# KiCad board cpu2.kicad_pcb (continued)
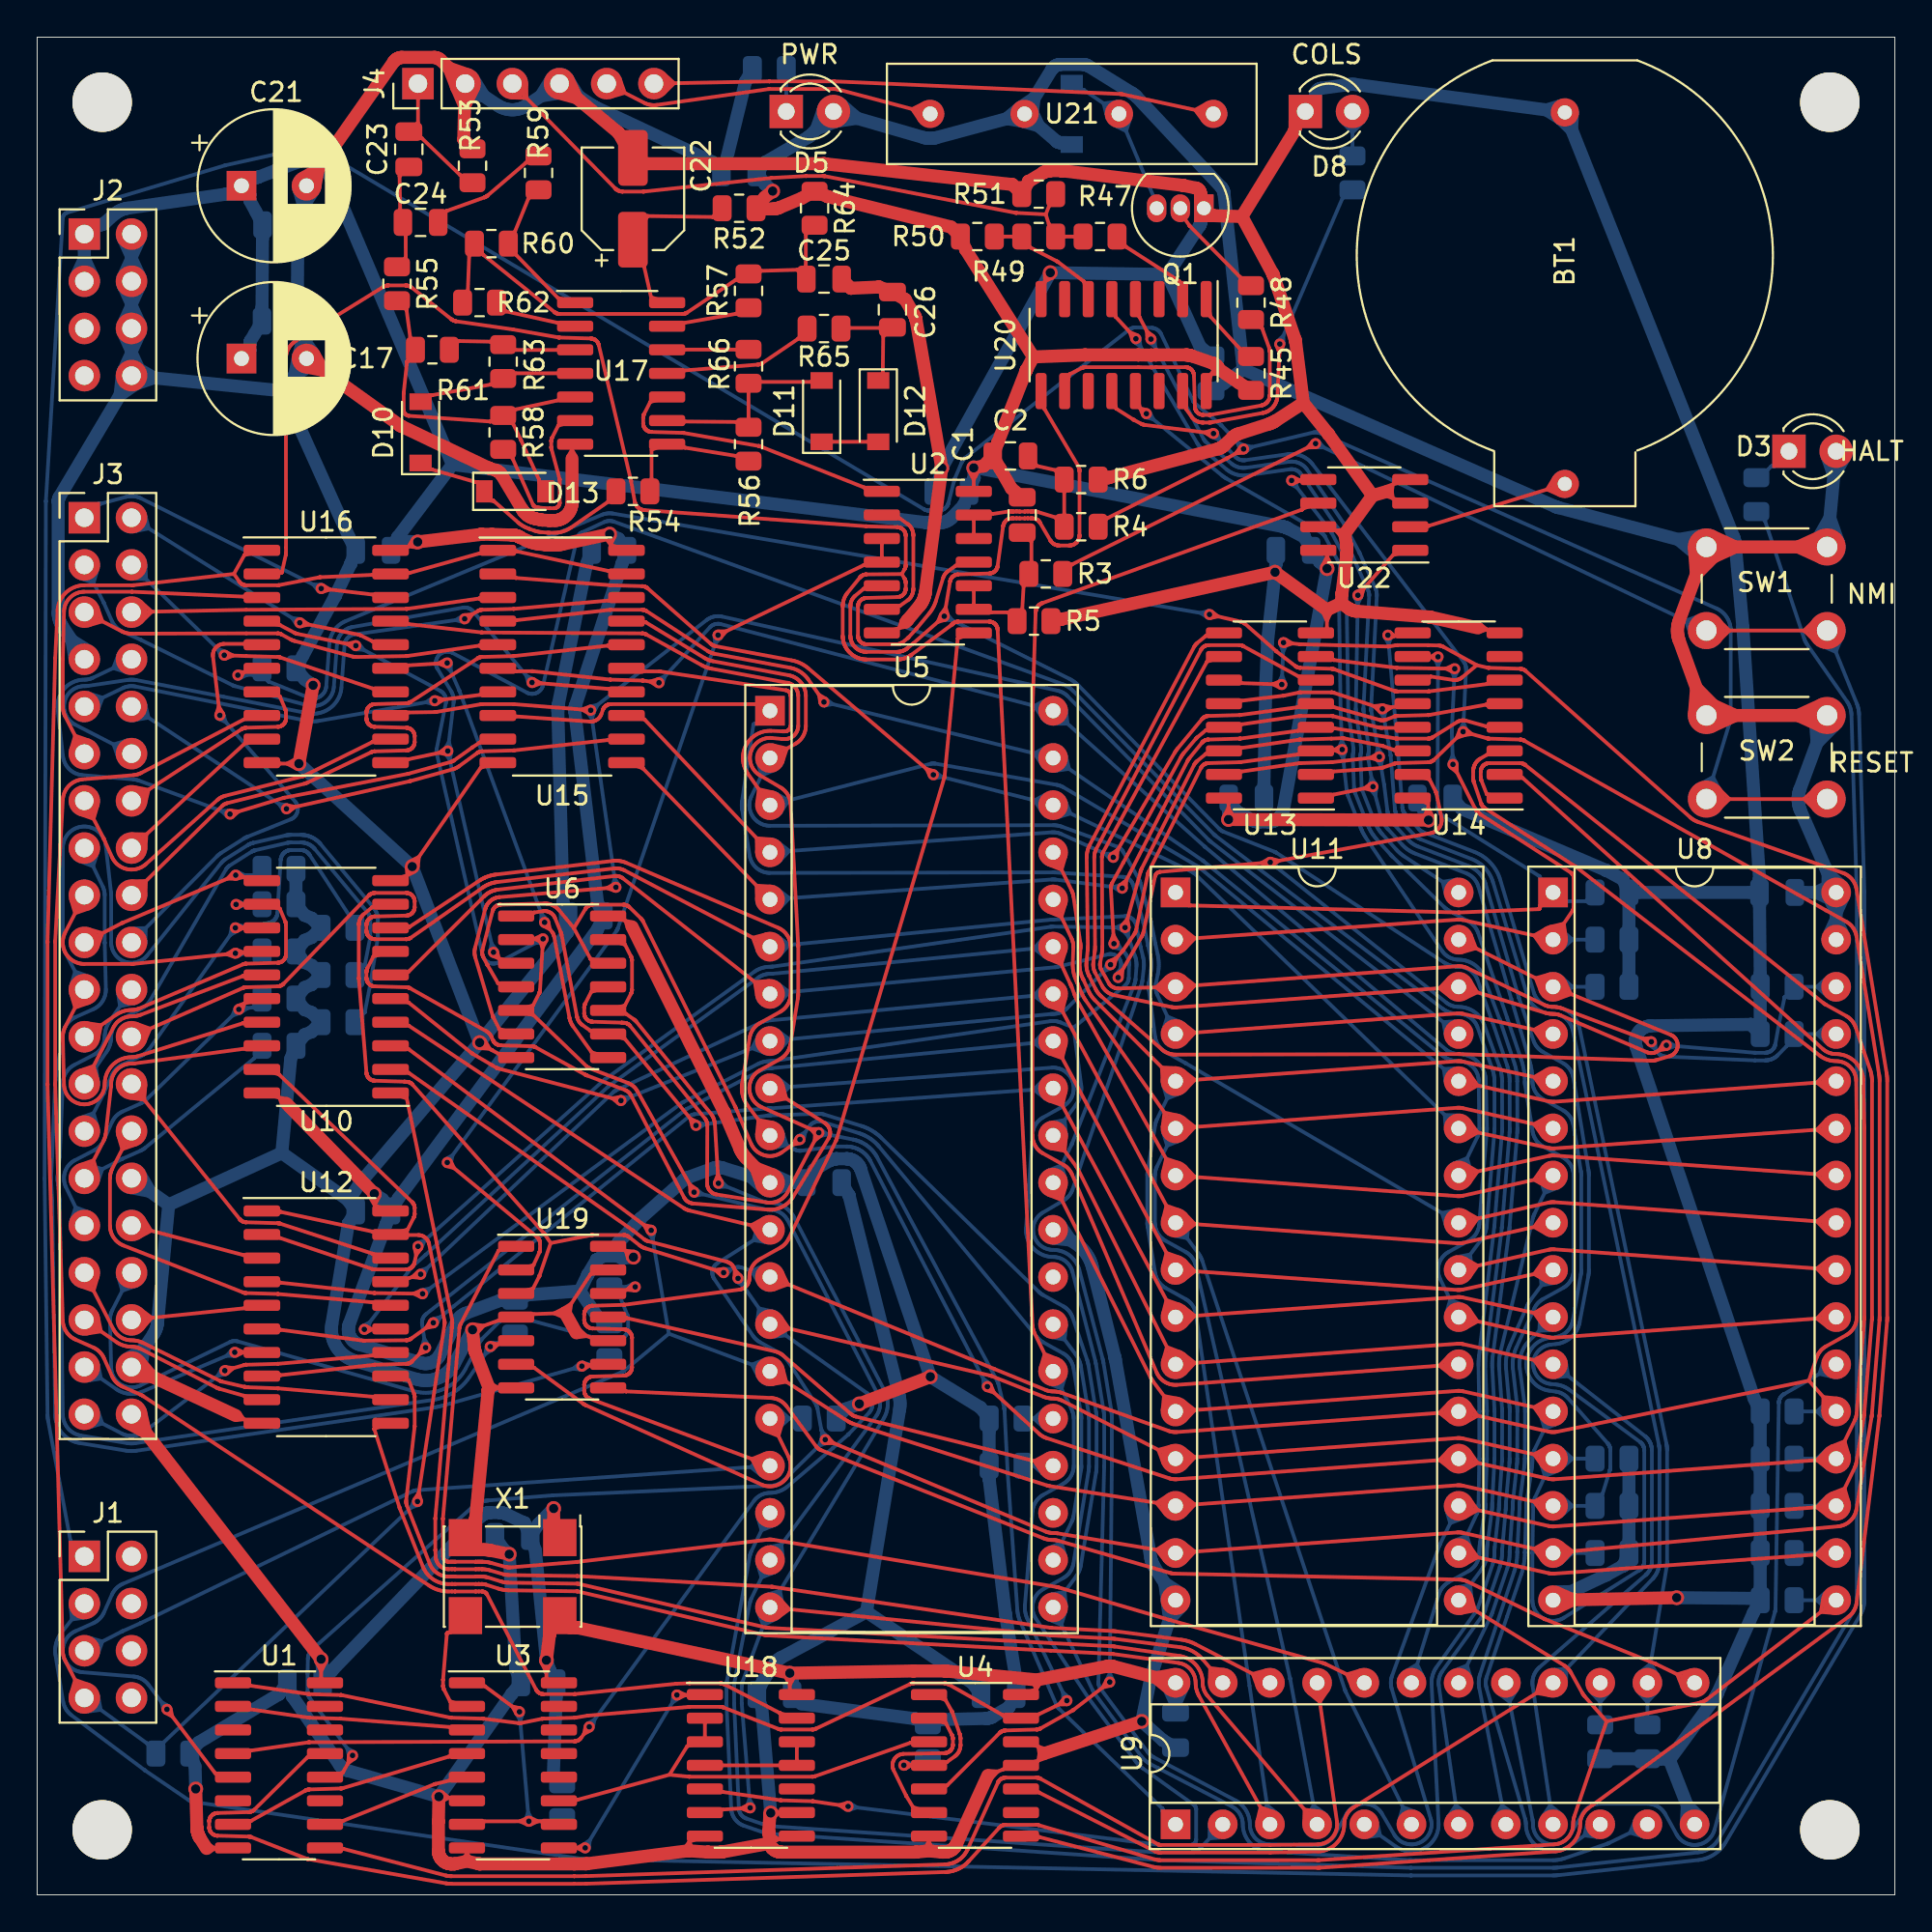
[diagram p0: board, top side]
## Routing (per net, layer and track width the routed paths; a pad name or vN(x,y) marks a point on that pad's centre or on a via; arc(x,y) is an arc through that point) (continued)
BB_VCC: length 25.5
  Top w0.2: 71.01,70.14 71.41,70.32 71.29,69.9 ; 73.92,72.38 72.98,72.12 v2(71.09,69.96)
  Bottom w0.2: 75.84,53.79 75.65,54.53 76.41,54.65 ; 71.27,69.87 71.09,69.48 70.91,69.88 ; U11.32 73.6,55.9 73.53,55.94 73.46,55.99 73.4,56.04 73.33,56.1 73.27,56.16 73.21,56.21 73.16,56.27 72.41,57.09 72.38,57.13 72.35,57.17 72.32,57.2 72.29,57.24 72.26,57.28 72.23,57.32 72.2,57.37 72.17,57.42 72.14,57.46 72.12,57.51 72.09,57.56 72.07,57.61 72.03,57.68 72.02,57.71 72.01,57.74 72,57.76 71.34,59.43 71.33,59.45 71.32,59.47 71.32,59.5 71.31,59.52 71.31,59.54 71.3,59.56 71.3,59.58 71.3,59.61 71.3,59.63 71.23,61.22 71.23,61.25 71.23,61.29 71.23,61.32 71.24,61.36 71.24,61.39 71.25,61.42 71.25,61.46 71.25,61.46 71.26,61.49 71.26,61.53 71.27,61.57 71.27,61.61 71.27,61.64 71.27,61.68 71.27,61.72 71.26,61.76 71.26,61.8 71,63.64 70.99,63.67 70.99,63.71 70.99,63.75 70.99,63.79 70.98,63.83 70.98,63.86 v2(71.09,69.96)
BUSISO: length 159.2
  Top w0.2: 10.59,71.11 10.88,70.69 10.9,70.67 10.92,70.65 10.95,70.61 10.97,70.6 10.98,70.59 11.01,70.57 11.04,70.55 11.05,70.54 11.09,70.53 11.11,70.52 11.13,70.51 11.16,70.5 11.19,70.5 11.21,70.5 11.25,70.49 11.26,70.49 12.94,70.49 12.96,70.5 13,70.5 13.02,70.5 15.17,70.92 15.2,70.92 15.23,70.93 15.26,70.93 18.03,71.05 18.13,71.06 U16.19 19.91,71.16 20.01,71.16 20.04,71.16 23.81,72.21 23.81,72.21 U15.1 25.69,72.33 25.79,72.33 ; 10.59,71.11 11.15,72.12 11.15,72.12 U16.1 ; 10.59,71.11 5.2,70.5 5.18,70.5 5.15,70.5 5.13,70.49 5.1,70.49 5.08,70.49 2.54,70.49 2.46,70.49 2.37,70.48 2.29,70.47 2.21,70.45 2.12,70.43 2.04,70.41 1.97,70.37 1.89,70.34 1.81,70.3 1.74,70.25 1.67,70.2 1.61,70.15 1.55,70.1 1.49,70.04 1.43,69.97 1.38,69.91 1.33,69.84 1.29,69.76 1.25,69.69 1.21,69.61 1.18,69.53 1.15,69.45 1.13,69.37 1.12,69.29 1.11,69.21 1.1,69.12 0.97,66.59 0.97,66.55 0.56,51.32 0.56,51.27 0.56,43.65 0.56,43.6 1.38,13.11 1.38,13.06 1.39,13.01 1.39,12.95 1.4,12.9 1.42,12.85 1.43,12.8 1.45,12.75 1.46,12.7 1.49,12.66 1.51,12.61 J1.7 ; U12.1 12.99,36.77 13.09,36.77 ; 1.82,10.81 2.04,11.57 2.79,11.31 ; 20.67,21.23 20.55,21.65 20.31,21.28 ; 13.09,36.77 13.11,36.76 18.03,35.71 18.04,35.71 U12.19 ; U12.19 19.95,35.82 19.95,35.82 20.27,36.45 20.29,36.49 20.3,36.52 20.3,36.53 20.31,36.57 20.32,36.59 20.32,36.61 20.32,36.65 20.32,36.67 20.32,36.97 20.32,36.99 20.32,37.03 20.31,37.05 20.31,37.07 20.3,37.11 20.29,37.13 20.28,37.15 20.27,37.18 20.25,37.2 20.24,37.22 20.22,37.25 20.21,37.27 20.19,37.28 20.17,37.3 13.02,44.16 13.02,44.16 U10.19 ; U12.19 19.91,35.52 20.5,35.52 20.54,35.52 20.57,35.51 20.61,35.51 20.64,35.5 20.67,35.49 20.71,35.48 20.74,35.47 20.77,35.46 20.8,35.44 20.83,35.42 20.86,35.4 20.89,35.38 20.92,35.36 20.94,35.33 20.96,35.31 20.99,35.28 21.01,35.25 21.03,35.22 21.04,35.19 21.06,35.16 21.07,35.13 21.08,35.1 21.09,35.06 21.1,35.03 21.92,30.92 21.93,30.89 21.93,30.87 21.93,30.85 21.94,30.82 21.94,30.8 21.94,30.77 21.93,30.75 21.93,30.73 21.93,30.7 v2(20.47,21.17) ; 25.79,72.33 25.81,72.32 30.73,71.27 30.74,71.27 U15.19
  Bottom w0.2: v2(20.47,21.17) 6.83,8.23 R15.2 5.9,8.16 5.9,8.16 J1.7 ; 3.28,10.74 3.42,9.96 2.64,9.86 ; 20.54,20.98 20.12,20.84 20.29,21.25
C1INN: length 10.3
  Top w0.2: R58.2 25.6,77.31 25.6,77.31 26.68,74.85 26.69,74.83 26.7,74.82 26.7,74.81 26.71,74.8 26.72,74.79 26.73,74.78 26.74,74.77 26.75,74.76 26.76,74.75 26.77,74.74 26.78,74.73 26.79,74.72 26.81,74.72 26.82,74.71 26.83,74.71 26.85,74.7 26.86,74.7 26.87,74.7 26.89,74.69 26.99,74.68 27.25,74.65 27.27,74.65 27.6,74.64 27.6,74.64 27.82,74.64 27.84,74.64 27.86,74.64 27.87,74.64 27.89,74.65 27.91,74.65 27.93,74.66 27.94,74.67 27.96,74.67 27.98,74.68 27.99,74.69 28.01,74.7 28.02,74.71 28.03,74.72 28.05,74.74 28.06,74.75 28.07,74.76 28.08,74.78 28.09,74.79 28.1,74.81 28.1,74.83 28.11,74.84 28.12,74.86 28.12,74.88 28.13,74.9 28.13,74.91 28.13,74.93 28.13,74.95 28.13,76.15 28.13,76.17 28.13,76.2 28.12,76.22 28.12,76.23 27.69,77.81 27.69,77.84 27.68,77.87 27.67,77.92 27.67,77.94 27.67,78.24 27.68,78.27 27.68,78.3 27.68,78.33 27.69,78.35 27.7,78.38 27.71,78.41 27.72,78.45 27.73,78.46 28.05,79.09 28.05,79.09 U17.6
C1INP: length 8.3
  Top w0.2: U17.1 28.03,85.97 25.8,88.26 R60.2 25.73,89.56 26.43,91.29 R59.1
C1OUT: length 20.7
  Top w0.2: U17.5 27.99,80.44 25.78,79.96 R58.1 ; 27.01,76.19 26.05,78.29 26.03,78.33 25.64,79.15 R58.1 ; R58.1 24.39,79.31 24.38,79.31 20.02,79.62 20,79.62 19.98,79.62 19.97,79.62 19.95,79.63 19.93,79.63 19.91,79.64 19.9,79.65 19.88,79.66 19.87,79.67 19.85,79.68 19.84,79.69 19.83,79.7 19.81,79.71 19.8,79.73 19.79,79.74 19.78,79.76 19.77,79.77 19.76,79.79 19.75,79.8 19.75,79.82 19.74,79.84 19.74,79.85 19.73,79.87 19.73,79.89 19.73,79.91 19.73,79.92 19.73,80.83 19.73,80.86 19.91,82.5 19.91,82.53 19.92,82.54 R61.1 20.08,83.87 19.89,85.31 19.88,85.31 R55.2 ; 27.01,76.19 27.02,76.17 27.02,76.15 27.02,76.05 D13.2
C2INN: length 7
  Top w0.2: U17.3 28.08,83.16 25.78,83.16 R63.1 24.48,83.61 24.38,83.61 22.7,83.64 22.7,83.64 R61.2
C2INP: length 4.5
  Top w0.2: U17.2 27.99,84.63 25.24,85.24 R62.1
C2OUT: length 8.6
  Top w0.2: D10.2 21.14,80.72 21.24,80.73 21.26,80.73 24.39,81.29 24.39,81.3 R63.2 25.78,81.91 28.08,81.91 U17.4
C3INN: length 7.6
  Top w0.2: R54.2 33.07,76.15 33.07,77.79 U17.8 34.88,77.9 34.88,77.9 37.59,77.46 R56.1
C3INP: length 4.5
  Top w0.2: U17.13 34.88,84.63 37.6,85.1 37.6,85.11 R57.2
C3OUT: length 10.8
  Top w0.2: D11.2 41.73,81.44 38.89,81.44 R66.2 R56.2 37.59,79.29 34.89,79.31 34.79,79.31 U17.9
C4INN: length 8.2
  Top w0.2: U17.11 34.88,82.06 38.77,82.37 38.82,82.38 38.85,82.38 38.87,82.38 38.92,82.4 38.94,82.41 38.96,82.41 39.01,82.44 39.03,82.45 39.04,82.46 40.95,83.76 40.96,83.76 R65.1
C4INP: length 4.4
  Top w0.2: R66.1 37.69,83.18 34.79,83.18 U17.12
CASIND: length 15.8
  Top w0.2: U17.10 33,80.36 33,80.36 32.68,79.73 32.66,79.68 32.65,79.66 32.64,79.64 32.63,79.61 32.63,79.58 32.63,79.53 32.62,79.51 32.62,79.21 32.63,79.18 32.63,79.15 32.63,79.12 32.64,79.1 32.65,79.07 32.66,79.04 32.67,79 32.69,78.98 32.7,78.96 32.72,78.93 32.74,78.91 32.75,78.89 32.78,78.87 32.8,78.85 32.81,78.84 32.84,78.82 32.86,78.81 32.88,78.8 32.91,78.78 32.94,78.77 32.95,78.77 32.99,78.76 33.01,78.75 33.03,78.75 33.08,78.75 34.74,78.7 34.8,78.7 34.81,78.69 38.84,77.99 38.87,77.99 38.92,77.97 38.94,77.96 44.51,75.76 U2.1
CASS_SW1: length 33.3
  Top w0.2: 33.73,96.97 34.29,97.52 33.71,98.05 ; 62.78,95.48 62.33,96.08 62.99,96.45 ; J4.6 39.41,97.62 39.42,97.62 42.87,97.62 42.9,97.62 42.94,97.62 58.28,96.94 58.31,96.94 58.34,96.94 58.37,96.93 58.4,96.93 58.43,96.92 58.46,96.92 U21.1
CASS_SW2: length 21
  Top w0.2: 47.52,95.5 47.1,96.13 47.78,96.46 ; 30.87,96.78 31.63,97 31.37,97.75 ; J4.5 32.67,96.47 32.72,96.44 32.77,96.42 32.82,96.4 32.87,96.39 32.93,96.37 32.98,96.36 33.03,96.35 33.09,96.35 33.14,96.34 33.2,96.34 33.25,96.34 33.31,96.35 33.36,96.35 39.38,97.21 39.41,97.21 39.42,97.21 42.87,97.21 42.91,97.21 42.95,97.21 43,97.2 43.04,97.2 43.09,97.19 43.13,97.18 43.18,97.17 U21.4
CASSAIN: length 7.2
  Top w0.2: J4.1 20.5,96.75 20.5,95.41 C23.2 20.71,94.56 20.71,94.56 22.78,92.57 22.78,92.57 R53.1
CASSAOUT: length 36.9
  Top w0.2: 54.29,90.46 54.46,90.88 R51.2 ; 54.29,90.46 54.46,89.95 54.46,89.94 R49.1 R47.2 ; 54.29,90.46 52.72,90.54 52.66,90.55 52.64,90.55 42.4,92.52 42.37,92.52 42.32,92.53 42.3,92.53 41.4,92.53 41.38,92.53 39.55,92.42 39.52,92.42 32.7,91.69 32.64,91.69 32.62,91.69 31.52,91.69 31.49,91.69 31.44,91.69 31.41,91.7 31.4,91.7 31.35,91.72 31.32,91.72 31.3,91.73 31.26,91.75 31.23,91.77 31.22,91.78 31.17,91.81 31.15,91.82 31.14,91.84 31.11,91.87 J4.3 ; 25.55,96.75 26.34,96.72 26.33,97.51
CASSIN: length 70.4
  Top w0.2: 71.24,12.09 70.5,11.87 70.79,11.16 ; U9.20 69.39,12.41 69.36,12.43 69.32,12.44 69.29,12.45 69.26,12.46 69.23,12.47 69.2,12.48 60.98,14.79 60.97,14.79 55,16.54 54.98,16.55 54.95,16.56 54.92,16.56 54.9,16.57 54.87,16.57 39.63,19.11 39.59,19.12 39.55,19.12 39.52,19.13 39.48,19.13 39.44,19.13 39.4,19.13 39.36,19.13 39.32,19.12 29.07,17.92 29.06,17.92 25.47,17.63 25.44,17.63 25.41,17.62 25.39,17.63 25.36,17.63 25.33,17.63 25.3,17.63 25.28,17.64 25.25,17.64 25.22,17.65 24.46,17.86 24.4,17.88 24.33,17.89 24.27,17.9 24.21,17.91 24.14,17.92 24.08,17.93 24.02,17.93 23.94,17.93 23.87,17.93 23.83,17.94 23.8,17.94 23.76,17.94 23.72,17.94 23.69,17.93 23.61,17.93 23.6,17.93 22.5,17.93 22.49,17.93 22.42,17.93 22.38,17.94 22.35,17.94 22.31,17.94 22.27,17.94 22.24,17.93 22.17,17.93 22.15,17.93 22.13,17.93 22.11,17.93 22.1,17.94 22.08,17.94 22.06,17.94 22.05,17.95 22.03,17.96 22.01,17.96 22,17.97 21.98,17.98 21.97,17.99 21.96,18 21.94,18.02 21.93,18.03 21.92,18.04 21.91,18.06 21.9,18.07 21.89,18.09 21.88,18.1 21.87,18.12 21.87,18.13 21.86,18.15 21.86,18.17 21.86,18.19 21.85,18.2 21.85,18.22 21.84,18.57 21.84,18.58 21.84,20.23 21.84,20.26 22.73,30.48 22.73,30.51 22.74,30.54 22.74,30.57 22.75,30.6 22.76,30.63 22.77,30.66 22.78,30.69 22.79,30.72 22.81,30.74 24.83,34.67 24.84,34.67 U19.1
CASSOUT: length 109.6
  Top w0.2: 48.89,68.64 48.47,68.51 48.65,68.91 ; 51.61,71.31 51.6,71.29 51.58,71.27 51.55,71.25 51.53,71.23 51.52,71.22 51.49,71.2 51.47,71.19 51.45,71.18 51.42,71.16 51.39,71.15 51.38,71.15 51.34,71.14 51.32,71.13 51.3,71.13 51.25,71.13 49.59,71.08 49.54,71.08 49.51,71.07 49.49,71.07 49.45,71.06 49.43,71.05 49.39,71.03 49.36,71.02 49.34,71.01 49.31,70.98 49.29,70.97 49.27,70.94 49.25,70.92 49.23,70.9 49.21,70.87 49.19,70.84 49.17,70.8 49.16,70.78 49.15,70.75 49.14,70.71 49.14,70.7 v2(48.83,68.83) 47.14,67.35 47.11,67.32 46.85,67.11 46.82,67.09 46.78,67.06 46.77,67.05 46.75,67.04 46.73,67.03 46.71,67.02 46.69,67.01 46.65,66.99 46.63,66.98 46.61,66.97 46.59,66.96 46.57,66.95 46.55,66.95 46.51,66.94 46.49,66.93 46.47,66.93 46.45,66.92 46.43,66.92 46.41,66.92 46.35,66.91 46.31,66.91 46.3,66.91 44.64,66.91 44.61,66.91 44.58,66.91 44.53,66.92 44.51,66.92 44.49,66.92 44.47,66.93 44.45,66.93 44.41,66.94 44.39,66.95 44.37,66.95 44.35,66.96 44.33,66.97 44.31,66.98 44.27,67 44.25,67.01 44.23,67.02 44.21,67.03 44.19,67.04 44.17,67.05 44.13,67.08 44.12,67.09 44.1,67.1 44.08,67.11 44.07,67.13 44.05,67.14 44.02,67.17 44.01,67.19 43.99,67.2 43.98,67.22 43.97,67.24 43.95,67.25 43.92,67.29 43.91,67.31 43.9,67.33 43.89,67.34 43.88,67.36 43.87,67.38 43.85,67.43 43.84,67.45 43.83,67.46 43.83,67.48 43.82,67.5 43.81,67.52 43.8,67.57 ; 53.5,74.1 53.56,74.09 53.62,74.09 53.68,74.08 53.73,74.07 53.75,74.06 53.77,74.06 53.79,74.05 53.81,74.04 53.84,74.02 ; 52.9,74.1 53.16,74.1 53.17,74.1 53.32,74.1 53.33,74.1 53.48,74.1 53.5,74.1 ; 54.86,72.66 54.83,72.67 54.81,72.68 54.76,72.7 54.74,72.71 54.72,72.72 54.68,72.75 54.66,72.77 54.64,72.78 54.61,72.82 54.59,72.84 54.58,72.86 54.55,72.9 54.54,72.91 53.98,73.86 53.97,73.88 53.94,73.93 53.92,73.95 53.91,73.96 53.89,73.98 53.87,74 53.84,74.02 ; 51.61,71.31 51.63,71.34 51.65,71.37 51.66,71.38 51.67,71.42 51.68,71.44 51.69,71.46 51.7,71.5 51.7,71.52 52,73.67 52,73.7 52.02,73.76 52.03,73.78 52.03,73.8 52.06,73.85 52.07,73.87 52.08,73.88 52.11,73.93 52.13,73.95 52.14,73.96 52.16,73.98 52.18,74 52.19,74.01 52.21,74.02 52.24,74.04 52.26,74.05 52.28,74.06 52.3,74.06 52.32,74.07 52.38,74.08 52.44,74.09 52.49,74.1 52.57,74.1 52.72,74.1 52.73,74.1 52.88,74.1 52.9,74.1 ; 54.86,72.66 54.91,72.65 54.94,72.64 54.95,72.64 55.01,72.63 55.03,72.63 55.55,72.63 55.58,72.64 55.63,72.64 55.66,72.64 55.67,72.65 55.72,72.66 55.75,72.67 55.77,72.68 55.81,72.7 55.84,72.71 55.85,72.72 55.9,72.75 55.92,72.77 55.93,72.78 55.97,72.82 55.99,72.84 56,72.86 56.03,72.9 56.04,72.92 56.05,72.94 56.07,72.99 56.08,73.01 56.09,73.03 56.1,73.08 56.1,73.11 56.11,73.12 56.11,73.18 56.11,73.19 56.11,76.63 56.11,76.66 56.11,76.72 56.1,76.74 56.1,76.76 56.08,76.81 56.07,76.84 56.07,76.85 56.04,76.9 56.03,76.92 54.23,79.98 54.23,79.98 U20.9 ; U2.5 44.49,70.31 44.49,70.3 44.04,69.93 44.01,69.91 43.98,69.88 43.96,69.85 43.93,69.82 43.91,69.79 43.89,69.76 43.87,69.73 43.85,69.7 43.84,69.66 43.82,69.63 43.81,69.59 43.8,69.55 43.79,69.52 43.78,69.48 43.78,69.44 43.78,69.4 43.77,69.36 43.77,69.35 43.77,67.78 43.78,67.74 43.78,67.69 43.78,67.67 43.78,67.65 43.79,67.63 43.79,67.61 43.8,67.59 43.8,67.57 ; 48.66,68.94 48.91,69.3 49.02,68.88
  Bottom w0.2: 73.62,12.02 74.29,12.41 74.61,11.71 ; 66.6,56.15 63.87,57.22 63.84,57.24 63.82,57.25 63.79,57.26 63.76,57.28 63.74,57.29 63.71,57.31 63.69,57.33 63.67,57.35 63.65,57.37 63.62,57.39 56.07,65.09 56.01,65.15 55.95,65.2 55.89,65.25 55.83,65.3 55.76,65.35 55.69,65.39 55.62,65.43 55.55,65.47 v2(48.83,68.83) ; 48.98,68.95 49.26,68.61 48.82,68.63 ; 66.6,56.15 66.63,56.14 66.67,56.12 66.7,56.1 66.71,56.09 75.72,50.2 75.78,50.16 75.84,50.13 75.91,50.1 75.97,50.07 76.04,50.04 76.1,50.02 76.17,50 76.24,49.99 76.31,49.98 76.38,49.97 76.45,49.96 76.52,49.96 76.58,49.96 76.64,49.95 76.7,49.94 76.76,49.93 76.82,49.92 76.88,49.9 76.93,49.88 76.99,49.85 77.04,49.83 77.09,49.8 77.14,49.76 77.19,49.73 77.24,49.69 77.28,49.65 77.32,49.6 77.36,49.56 77.4,49.51 77.43,49.46 77.46,49.41 77.49,49.35 77.52,49.3 77.54,49.24 78.34,46.99 78.35,46.96 79.12,44.68 79.15,44.57 79.18,44.46 79.21,44.36 79.23,44.25 79.24,44.13 79.26,44.02 79.26,43.91 79.26,43.8 79.26,43.79 79.27,41.27 79.27,41.22 79.27,41.18 79.27,41.13 79.26,41.08 79.26,41.04 78.85,35.99 78.85,35.94 78.84,35.89 77.98,29.01 77.97,28.92 77.97,28.82 77.96,28.72 77.96,28.63 77.96,28.53 77.96,28.43 78.04,26.07 78.04,26.02 78.04,23.48 78.04,23.43 77.96,21.06 77.96,21 77.96,20.94 77.96,20.9 77.95,20.87 77.95,20.83 77.95,20.79 77.94,20.76 77.94,20.72 77.68,19 77.66,18.9 77.65,18.8 77.64,18.7 77.63,18.6 77.63,18.5 77.63,18.4 77.63,18.34 77.62,18.28 77.61,18.21 77.6,18.15 77.59,18.09 77.57,18.03 77.55,17.98 77.52,17.92 77.49,17.87 77.46,17.81 77.43,17.76 77.39,17.71 77.35,17.66 77.31,17.62 77.26,17.58 77.21,17.53 77.16,17.5 77.11,17.46 77.06,17.43 75.98,16.83 75.93,16.8 75.88,16.77 75.84,16.74 75.8,16.7 75.75,16.66 75.71,16.62 75.68,16.58 75.64,16.54 75.61,16.49 75.58,16.44 75.55,16.4 75.52,16.35 75.5,16.29 75.48,16.24 75.46,16.19 U9.19
CLK: length 128.1
  Top w0.2: U4.5 48.98,5.89 48.99,5.89 51.81,8.72 51.83,8.74 51.85,8.75 51.89,8.78 51.91,8.79 51.95,8.81 ; J3.24 11.08,48.82 11.11,48.83 11.13,48.84 11.16,48.85 11.19,48.85 11.24,48.86 11.25,48.86 12.94,48.9 12.96,48.91 13,48.91 13.02,48.91 13.04,48.92 13.08,48.93 13.1,48.94 13.12,48.94 13.15,48.96 13.17,48.97 13.19,48.98 13.22,49 13.24,49.02 13.25,49.03 13.27,49.05 17.85,53.79 17.88,53.82 17.9,53.83 17.92,53.85 17.95,53.87 17.97,53.88 18.01,53.9 18.04,53.91 18.05,53.92 18.09,53.93 18.11,53.93 18.16,53.94 18.19,53.94 19.86,53.94 19.89,53.93 19.92,53.93 19.95,53.93 19.97,53.92 20,53.91 20.03,53.9 20.07,53.89 20.09,53.87 20.11,53.86 20.14,53.84 20.16,53.82 20.18,53.81 20.2,53.78 20.22,53.76 20.23,53.75 20.25,53.72 20.26,53.7 20.27,53.68 20.29,53.65 20.3,53.62 20.3,53.61 20.31,53.57 20.32,53.55 20.32,53.53 20.32,53.49 20.32,53.47 20.32,53.17 20.32,53.15 20.32,53.11 20.31,53.09 20.31,53.07 20.3,53.03 20.29,53.01 20.28,52.99 20.27,52.96 20.25,52.94 20.24,52.92 20.22,52.89 20.21,52.87 20.19,52.86 20.17,52.83 20.15,52.82 20.13,52.81 20.11,52.79 20.08,52.77 20.07,52.76 20.03,52.75 20.01,52.74 19.99,52.73 19.96,52.72 19.93,52.72 19.91,52.72 19.87,52.71 18.18,52.67 18.13,52.66 18.1,52.66 18.08,52.65 18.04,52.64 18.02,52.64 17.98,52.62 17.95,52.6 17.93,52.59 17.9,52.57 17.88,52.55 17.86,52.53 17.84,52.51 17.82,52.49 17.8,52.45 17.78,52.43 17.76,52.39 17.75,52.36 17.74,52.34 17.73,52.3 17.73,52.28 17.73,52.23 17.72,52.2 17.72,51.91 17.73,51.88 17.73,51.84 17.73,51.82 17.74,51.8 17.75,51.76 17.76,51.74 17.77,51.7 17.79,51.67 17.8,51.65 17.82,51.62 17.84,51.6 17.85,51.59 17.88,51.56 17.9,51.55 17.91,51.54 17.94,51.52 17.96,51.5 17.98,51.49 18.01,51.48 18.04,51.47 18.05,51.46 18.09,51.45 18.11,51.45 18.13,51.45 18.17,51.44 18.19,51.44 19.86,51.44 19.89,51.45 19.92,51.45 19.95,51.45 19.97,51.46 20,51.47 20.03,51.48 20.04,51.48 20.07,51.5 20.1,51.51 20.11,51.52 23.99,54.23 24.04,54.26 24.08,54.28 24.11,54.3 24.15,54.33 24.19,54.35 24.25,54.37 24.3,54.4 24.34,54.41 24.38,54.43 24.43,54.44 24.47,54.46 24.51,54.47 24.54,54.48 24.57,54.49 24.61,54.49 24.64,54.5 24.68,54.51 24.72,54.51 24.76,54.52 31.04,55.25 31.09,55.26 31.14,55.26 31.19,55.26 31.24,55.25 31.29,55.25 31.34,55.24 31.39,55.23 31.44,55.22 31.49,55.2 31.54,55.18 31.58,55.16 31.63,55.14 U5.6 ; v2(57.74,11.46) 55.8,9.97 ; 57.56,11.55 57.36,11.16 57.78,11.26 ; 38.79,50.8 38.53,51.52 39.27,51.72 ; 51.95,8.81 51.98,8.82 52,8.83 52.04,8.84 52.06,8.84 52.12,8.85 52.13,8.85 53.79,8.9 53.81,8.9 53.85,8.9 53.87,8.91 53.89,8.91 53.93,8.92 53.95,8.93 53.97,8.94 54.01,8.96 54.01,8.96 55.73,9.92 55.75,9.94 55.78,9.95 55.8,9.97 ; 5.77,45.9 6.08,46.63 5.33,46.9
  Bottom w0.2: 57.92,11.54 57.74,11.94 57.56,11.54 ; 39.87,51.6 40.48,51.14 39.97,50.57 ; 59.53,50.5 59.54,50.43 59.56,50.36 59.57,50.29 59.57,50.22 59.58,50.15 59.58,50.08 59.58,50.01 59.57,49.94 59.57,49.87 59.5,49.23 59.49,49.19 59.49,49.15 59.48,49.12 59.47,49.08 59.46,49.04 59.45,49 59.44,48.96 55.74,37.98 55.72,37.93 55.7,37.88 55.67,37.83 55.65,37.78 55.62,37.73 55.59,37.68 55.55,37.64 55.51,37.6 55.47,37.55 55.43,37.52 55.39,37.48 55.35,37.44 55.3,37.41 55.25,37.38 54.14,36.73 54.09,36.7 54.03,36.66 53.98,36.62 53.93,36.57 53.89,36.52 53.85,36.47 53.81,36.42 53.77,36.37 53.74,36.31 53.71,36.25 53.68,36.19 53.66,36.13 53.64,36.07 53.63,36 53.62,35.94 53.61,35.87 53.61,35.81 53.61,35.74 53.62,35.68 53.63,35.61 53.64,35.55 53.66,35.48 53.68,35.42 53.7,35.36 53.73,35.3 53.76,35.24 53.8,35.19 53.84,35.14 53.88,35.09 53.92,35.04 53.97,34.99 54.02,34.95 54.07,34.91 54.13,34.88 54.18,34.84 54.24,34.82 54.3,34.79 54.37,34.77 54.43,34.75 54.49,34.74 54.56,34.73 54.62,34.72 54.69,34.72 54.77,34.72 54.86,34.71 54.94,34.7 55.02,34.68 55.1,34.66 55.18,34.63 55.26,34.6 55.33,34.57 55.41,34.53 55.48,34.49 55.55,34.44 55.61,34.39 55.68,34.33 55.74,34.28 55.79,34.21 55.85,34.15 55.89,34.08 55.94,34.01 55.98,33.94 56.02,33.87 56.05,33.79 56.08,33.71 56.1,33.63 57.35,28.88 57.36,28.83 57.37,28.78 57.38,28.73 57.39,28.67 57.4,28.62 57.81,26.15 57.82,26.06 57.83,25.98 57.84,25.89 57.84,25.81 57.85,25.72 57.85,25.64 57.85,23.1 57.85,23.07 v2(57.74,11.46) ; U5.6 54.55,52.49 54.58,52.49 54.6,52.5 54.63,52.5 54.66,52.5 54.71,52.5 54.74,52.5 58.53,52.68 58.57,52.68 58.6,52.68 58.64,52.68 58.67,52.67 58.7,52.66 58.74,52.66 58.77,52.64 58.8,52.63 58.83,52.62 58.86,52.6 58.89,52.58 58.92,52.56 58.95,52.54 58.98,52.52 59,52.5 59.02,52.47 59.05,52.44 59.07,52.41 59.08,52.39 59.1,52.36 59.12,52.32 59.13,52.29 59.14,52.26 59.15,52.23 59.16,52.19 59.4,51.03 59.41,50.98 59.41,50.96 59.53,50.5
CLKD0: length 12.7
  Top w0.2: U1.2 11.52,9.98 14.6,9.54 14.62,9.54 14.66,9.53 16.33,9.49 16.34,9.48 22.16,9.04 U3.3
CLKD1: length 13.3
  Top w0.2: U1.7 11.51,3.98 11.52,3.99 14.44,5.62 14.48,5.63 14.5,5.64 14.53,5.65 14.57,5.67 14.6,5.67 14.65,5.68 14.66,5.68 16.33,5.72 16.35,5.73 16.38,5.73 16.41,5.73 16.43,5.74 16.46,5.75 22.16,7.44 22.16,7.44 U3.4
CLKD2: length 8.1
  Top w0.2: U3.5 22.17,6.15 21.46,5.98 21.42,5.97 21.39,5.96 21.36,5.94 16.46,3.98 U1.10
CLKDIV: length 68.2
  Top w0.2: 53.99,6.26 54.01,6.25 60.33,2.72 60.35,2.71 60.38,2.7 60.41,2.69 60.44,2.69 60.47,2.69 60.48,2.68 66.36,2.68 66.37,2.68 68.91,2.72 68.98,2.72 69.04,2.72 69.1,2.73 69.16,2.75 69.22,2.76 69.28,2.79 69.34,2.81 69.4,2.84 69.46,2.87 69.51,2.9 69.56,2.94 69.61,2.98 69.66,3.02 69.7,3.07 69.74,3.12 69.78,3.17 69.81,3.22 69.85,3.27 69.88,3.33 69.9,3.39 69.92,3.45 69.94,3.51 69.96,3.57 69.97,3.63 69.98,3.7 69.98,3.76 69.98,3.82 69.98,3.89 69.97,3.95 U9.21 ; U1.9 16.37,2.47 16.47,2.47 16.5,2.47 21.98,1.05 22.01,1.04 22.04,1.03 22.08,1.02 22.11,1.02 22.14,1.01 22.18,1.01 22.23,1.01 22.27,1 22.31,1 28.91,1 28.92,1 29.52,1.01 29.55,1.01 48.87,1.64 48.91,1.64 48.94,1.64 48.97,1.65 49,1.65 49.04,1.65 49.07,1.66 49.11,1.67 49.14,1.67 49.18,1.68 49.2,1.69 49.24,1.7 49.27,1.71 49.3,1.72 49.34,1.73 49.37,1.75 49.4,1.76 49.43,1.77 49.46,1.79 49.49,1.81 49.52,1.82 49.55,1.84 49.58,1.86 49.61,1.88 49.63,1.9 49.66,1.92 49.69,1.94 49.72,1.96 49.74,1.98 49.77,2.01 49.79,2.03 49.81,2.05 49.84,2.08 49.86,2.1 49.88,2.13 49.91,2.16 49.93,2.18 49.95,2.21 49.96,2.23 49.98,2.26 50,2.29 50.02,2.32 50.04,2.36 50.06,2.39 50.07,2.42 50.09,2.45 51.71,6.03 51.73,6.07 51.74,6.09 51.76,6.12 51.78,6.14 51.79,6.16 51.83,6.19 51.85,6.21 51.87,6.23 51.9,6.24 51.92,6.26 51.95,6.27 ; 69.48,11.02 69.05,10.39 68.45,10.88 ; 53.99,6.26 53.96,6.28 53.93,6.29 53.92,6.29 53.88,6.3 53.86,6.31 53.81,6.31 53.78,6.31 52.14,6.31 52.11,6.31 52.07,6.31 52.05,6.3 52.03,6.3 51.99,6.29 51.97,6.28 51.95,6.27
D0: length 249.3
  Top w0.2: 39.79,30.11 40.46,30.48 40.03,31.12 ; U13.15 64.86,60.47 67.94,60.92 68,60.92 68,60.92 69.67,60.97 69.69,60.97 69.72,60.97 v2(72.25,61.26) ; 29.52,9.08 29.43,8.66 29.82,8.87 ; 72.15,61.43 71.78,61.21 72.19,61.07 ; 60.62,23.23 60.35,23.95 61.1,24.16 ; 60.08,83.9 59.73,84.17 59.76,83.73 ; U8.13 76.76,24.56 76.72,24.57 76.68,24.58 76.64,24.58 76.6,24.59 76.56,24.59 76.52,24.59 76.48,24.59 76.44,24.59 U11.13 55.18,26.6 55.14,26.62 55.1,26.64 55.05,26.66 55.01,26.67 54.96,26.68 54.92,26.69 54.87,26.7 54.83,26.71 54.78,26.72 54.74,26.72 54.63,26.72 54.57,26.72 54.5,26.73 54.44,26.74 54.38,26.75 54.32,26.77 54.26,26.78 54.21,26.8 54.15,26.82 51.38,27.93 51.35,27.94 51.32,27.95 51.29,27.95 U5.14 ; U1.4 11.52,7.77 14.6,8.21 14.65,8.22 14.67,8.22 28.91,8.26 28.94,8.27 28.97,8.27 29,8.27 29.02,8.28 29.05,8.29 29.08,8.3 29.09,8.3 29.13,8.32 29.15,8.33 29.16,8.34 29.19,8.36 29.21,8.38 29.23,8.39 29.26,8.42 29.28,8.44 v2(29.72,9.04) ; 37.53,33.2 37.55,33.63 37.87,33.33 ; 61.71,24.03 62.32,23.56 61.79,23 ; U10.2 20,44.25 20.01,44.24 32.06,35.77 32.09,35.75 32.1,35.74 32.68,35.29 32.7,35.28 32.72,35.26 32.74,35.25 32.76,35.24 32.78,35.22 32.81,35.21 32.83,35.2 32.85,35.19 32.88,35.19 32.9,35.18 37.11,34.09 37.14,34.08 37.17,34.07 37.2,34.05 37.23,34.04 37.26,34.03 37.28,34.01 37.31,33.99 37.33,33.97 37.36,33.95 37.38,33.93 37.4,33.91 37.43,33.88 37.45,33.86 37.46,33.83 37.48,33.8 37.5,33.78 37.51,33.75 37.52,33.72 v2(37.73,33.19) ; 59.12,85.9 59.33,84.94 v2(59.96,83.74) ; 81.25,24.09 80.59,23.71 81.03,23.08
  Bottom w0.2: 72.42,61.38 72.17,61.73 72.06,61.31 ; 81.87,22.83 81.16,22.54 80.93,23.27 ; 37.63,33.01 38,32.79 37.93,33.22 ; 74.35,56.43 77.07,55.38 77.14,55.35 77.22,55.31 77.29,55.27 77.36,55.23 77.43,55.18 77.49,55.13 77.55,55.08 77.61,55.02 77.67,54.96 77.72,54.9 77.77,54.83 77.81,54.76 77.85,54.69 77.89,54.62 77.92,54.54 77.95,54.46 77.98,54.39 79.75,48.34 79.76,48.3 79.77,48.26 80.55,45.98 80.57,45.93 80.59,45.88 80.61,45.83 80.64,45.78 80.67,45.74 80.7,45.69 80.73,45.65 80.77,45.61 80.8,45.57 80.84,45.53 80.88,45.49 80.92,45.46 80.97,45.43 81.01,45.4 81.06,45.37 82.14,44.77 82.19,44.74 82.24,44.71 82.29,44.67 82.33,44.64 82.37,44.6 82.42,44.55 82.45,44.51 82.49,44.46 82.52,44.41 82.56,44.36 82.58,44.31 82.61,44.26 82.63,44.21 82.65,44.15 82.67,44.09 82.68,44.04 82.7,43.98 83.5,39.03 83.51,38.98 83.52,38.93 83.52,38.88 83.53,38.82 83.53,38.77 83.53,38.72 83.53,33.64 83.53,33.58 83.53,33.52 83.52,33.46 83.52,33.4 83.51,33.34 83.5,33.28 83.03,30.83 83.02,30.75 83,30.67 82.97,30.59 82.94,30.52 82.9,30.44 82.87,30.37 82.82,30.3 82.78,30.24 82.73,30.17 82.67,30.11 82.62,30.05 82.55,30 82.49,29.94 82.43,29.9 82.36,29.85 82.29,29.81 82.21,29.77 82.14,29.74 82.06,29.71 81.98,29.69 81.9,29.67 81.82,29.66 81.74,29.65 81.5,29.62 81.43,29.61 81.37,29.6 81.3,29.59 81.24,29.57 81.18,29.54 81.12,29.51 81.06,29.48 81.01,29.45 80.95,29.41 80.9,29.37 80.85,29.32 80.81,29.28 80.77,29.23 80.73,29.18 80.69,29.12 80.66,29.06 80.63,29.01 80.6,28.94 80.58,28.88 80.56,28.82 80.55,28.76 80.54,28.69 80.53,28.63 80.53,28.56 80.53,28.49 80.54,28.43 80.55,28.36 80.56,28.3 80.58,28.24 80.6,28.18 80.63,28.11 80.66,28.06 80.69,28 80.73,27.94 80.77,27.89 80.81,27.84 80.85,27.8 80.9,27.75 80.95,27.71 81.01,27.67 81.06,27.64 81.12,27.61 81.18,27.58 81.24,27.55 81.3,27.53 81.37,27.52 81.43,27.51 81.5,27.5 81.74,27.47 81.81,27.47 81.87,27.45 81.94,27.44 82,27.42 82.06,27.41 82.12,27.38 82.18,27.36 82.24,27.33 82.3,27.3 82.36,27.27 82.41,27.23 82.47,27.2 86.3,24.37 86.32,24.35 86.33,24.34 86.37,24.3 86.39,24.28 86.4,24.27 86.43,24.23 86.44,24.2 86.45,24.19 86.47,24.14 86.48,24.11 86.49,24.1 86.5,24.05 86.5,24.02 86.51,24 86.51,23.95 86.51,23.93 86.51,17.95 86.51,17.92 86.5,17.87 86.5,17.84 86.5,17.83 86.48,17.78 86.47,17.75 86.47,17.73 86.44,17.69 86.43,17.66 86.42,17.65 86.39,17.6 86.37,17.58 86.36,17.57 86.32,17.53 86.3,17.51 86.29,17.5 86.24,17.47 82.19,14.92 82.13,14.89 82.07,14.86 82.01,14.83 81.95,14.81 81.88,14.79 81.82,14.77 81.75,14.76 81.68,14.75 81.61,14.75 81.55,14.75 81.48,14.76 81.41,14.77 81.35,14.78 81.28,14.8 81.22,14.82 81.15,14.84 81.09,14.87 81.03,14.91 80.98,14.94 80.92,14.98 80.87,15.02 80.82,15.07 80.77,15.12 80.73,15.17 80.69,15.22 80.65,15.28 80.62,15.34 80.59,15.4 80.56,15.46 80.54,15.53 80.52,15.59 80.51,15.66 80.5,15.73 80.49,15.79 80.49,15.86 80.49,18.4 80.49,18.42 80.53,20.87 80.53,20.94 80.53,20.99 80.54,21.03 80.54,21.08 80.55,21.12 80.56,21.17 80.57,21.21 80.58,21.26 80.6,21.3 80.61,21.35 80.63,21.39 U8.13 R29.1 ; 29.62,9.22 30,9.43 29.92,9 ; v2(37.73,33.19) U5.14 44.67,27.01 44.7,26.98 44.73,26.96 44.76,26.93 44.79,26.9 44.82,26.86 44.84,26.83 44.87,26.79 44.89,26.76 44.91,26.72 44.92,26.68 44.94,26.64 44.95,26.6 44.96,26.56 44.96,26.52 44.97,26.48 44.97,26.43 44.97,26.39 44.96,26.35 44.96,26.31 44.95,26.27 44.94,26.23 44.92,26.19 44.91,26.15 44.89,26.11 44.87,26.07 44.85,26.04 44.83,26 44.8,25.97 44.77,25.94 43.69,24.81 43.65,24.77 43.64,24.76 42.82,24.05 42.82,24.04 40.39,21.99 40.34,21.94 40.28,21.9 40.22,21.86 40.15,21.82 40.09,21.79 40.02,21.76 39.95,21.73 39.88,21.7 39.81,21.68 39.74,21.67 39.67,21.66 39.6,21.65 39.52,21.64 39.39,21.64 39.34,21.63 39.28,21.63 39.22,21.62 39.17,21.6 39.12,21.59 39.06,21.57 39.01,21.55 38.96,21.52 38.91,21.49 38.86,21.47 38.82,21.43 38.77,21.4 38.73,21.36 38.69,21.32 38.65,21.28 38.61,21.24 38.58,21.2 v2(29.72,9.04) ; 40.13,30.87 40.3,30.12 39.53,30.02 ; 38.75,30.81 38.85,31.57 39.6,31.4 ; 72.09,61.15 72.33,60.79 72.45,61.21 ; 59.83,83.59 60.18,83.32 60.16,83.76 ; 82.07,24 82.64,23.48 82.07,22.96 ; v2(59.96,83.74) 62.78,78.38 62.8,78.36 62.81,78.33 62.82,78.31 62.84,78.29 62.86,78.27 62.87,78.25 62.89,78.23 62.91,78.21 62.93,78.2 64.28,77.05 64.32,77.02 64.37,76.99 64.41,76.96 64.46,76.93 64.51,76.91 64.56,76.89 64.61,76.87 64.66,76.85 64.71,76.84 64.76,76.83 64.82,76.82 64.87,76.81 64.92,76.81 64.98,76.81 65.03,76.82 65.08,76.82 67.38,77.15 67.44,77.15 67.5,77.16 67.55,77.16 67.61,77.15 67.67,77.15 67.72,77.14 67.78,77.12 67.83,77.11 67.89,77.09 67.94,77.07 67.99,77.04 68.04,77.02 68.09,76.99 68.13,76.95 68.18,76.92 68.22,76.88 68.26,76.84 68.3,76.8 68.34,76.76 68.37,76.71 70.32,73.84 70.34,73.81 70.36,73.79 70.37,73.76 70.39,73.73 70.41,73.7 71.15,72.3 71.16,72.27 71.18,72.25 71.19,72.22 71.2,72.19 72.02,70.38 72.04,70.34 72.06,70.29 72.07,70.25 72.08,70.21 72.09,70.17 72.1,70.12 72.11,70.08 72.11,70.04 72.11,69.99 72.11,69.95 72.11,69.9 71.81,63.87 71.81,63.85 71.8,63.83 71.81,63.81 71.81,63.79 71.81,63.77 71.81,63.75 71.81,63.73 v2(72.25,61.26) 72.51,59.76 72.51,59.73 72.68,58.38 72.68,58.36 72.69,58.33 72.69,58.31 72.7,58.28 72.7,58.26 72.72,58.21 72.72,58.18 72.73,58.15 72.74,58.12 72.75,58.09 72.76,58.06 72.78,58.03 72.79,58 72.81,57.96 72.82,57.93 72.84,57.9 72.85,57.87 72.87,57.85 72.89,57.82 72.92,57.77 72.95,57.73 72.97,57.71 72.98,57.69 73,57.66 73.02,57.64 73.76,56.83 73.81,56.77 73.86,56.73 73.92,56.68 73.97,56.63 74.03,56.59 74.09,56.55 74.15,56.52 74.22,56.48 74.28,56.45 74.35,56.43
